# Altium PCB DAC_Sources.PcbDoc (part 1 of 8) (continued)
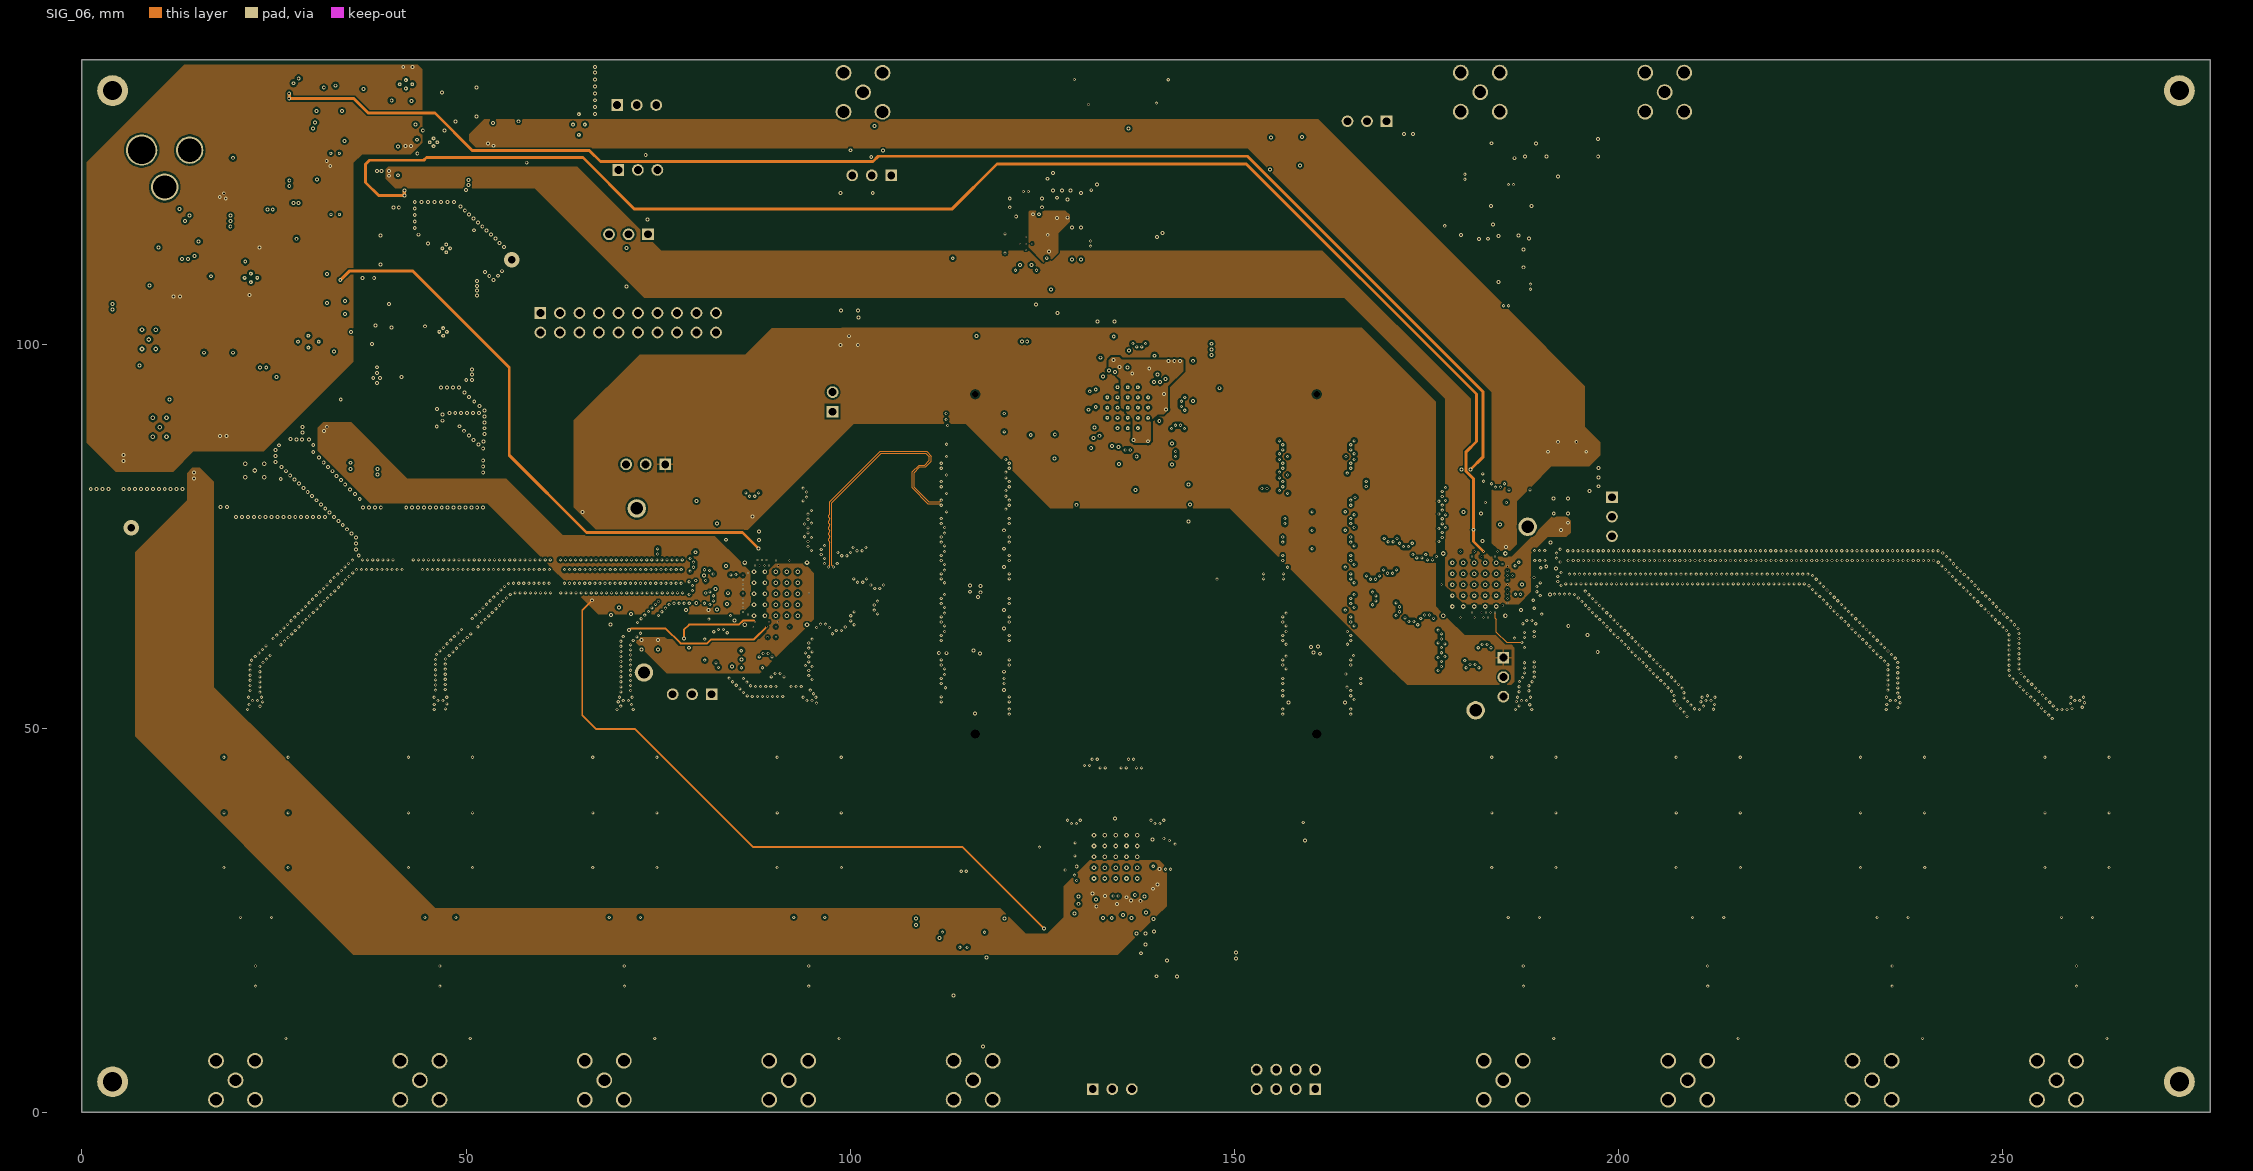
[diagram p6: SIG_06]
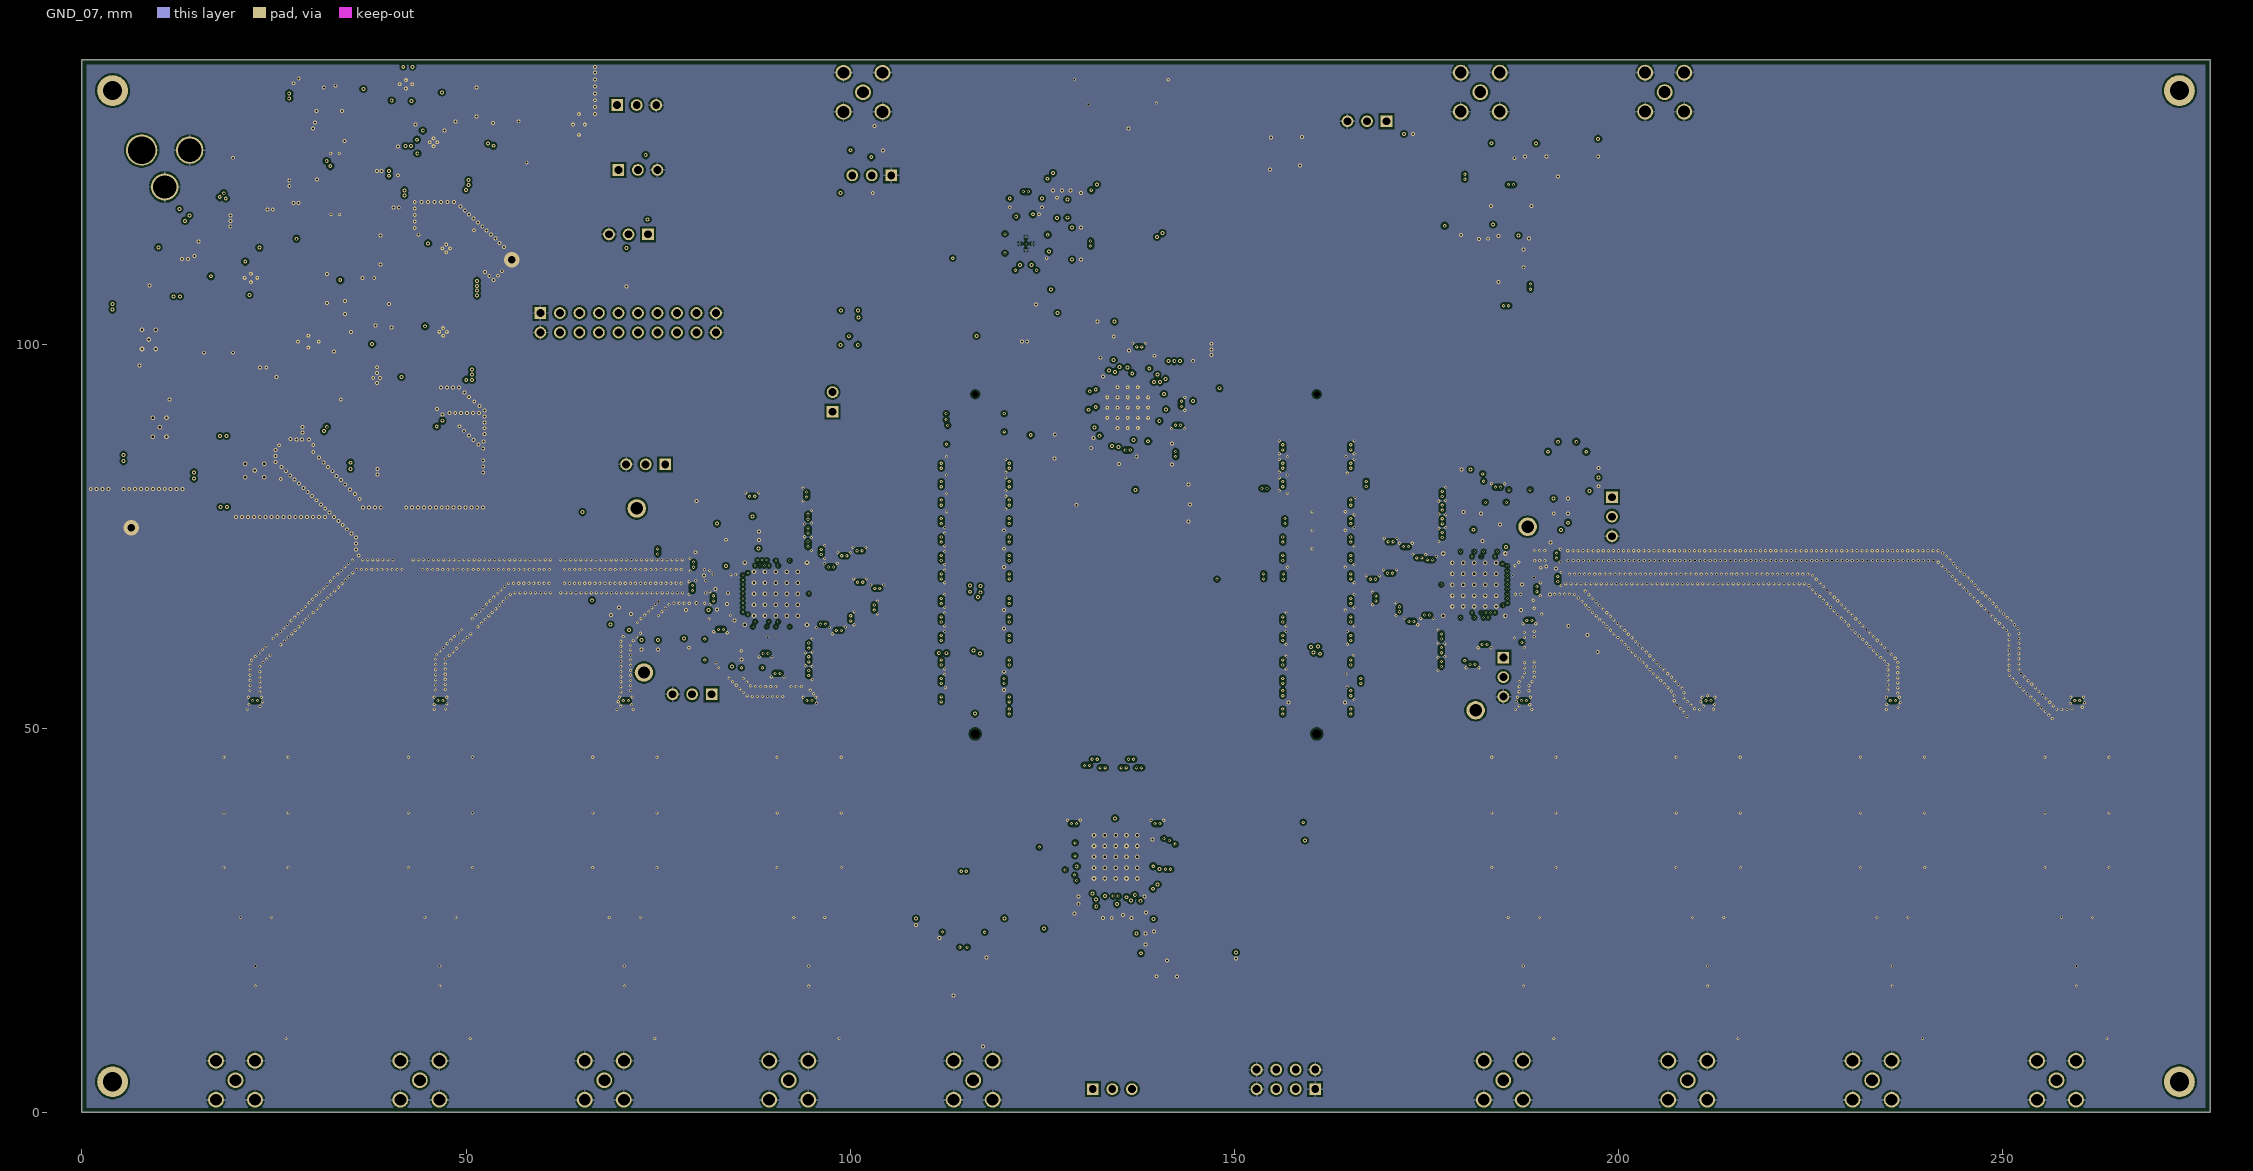
[diagram p7: GND_07]
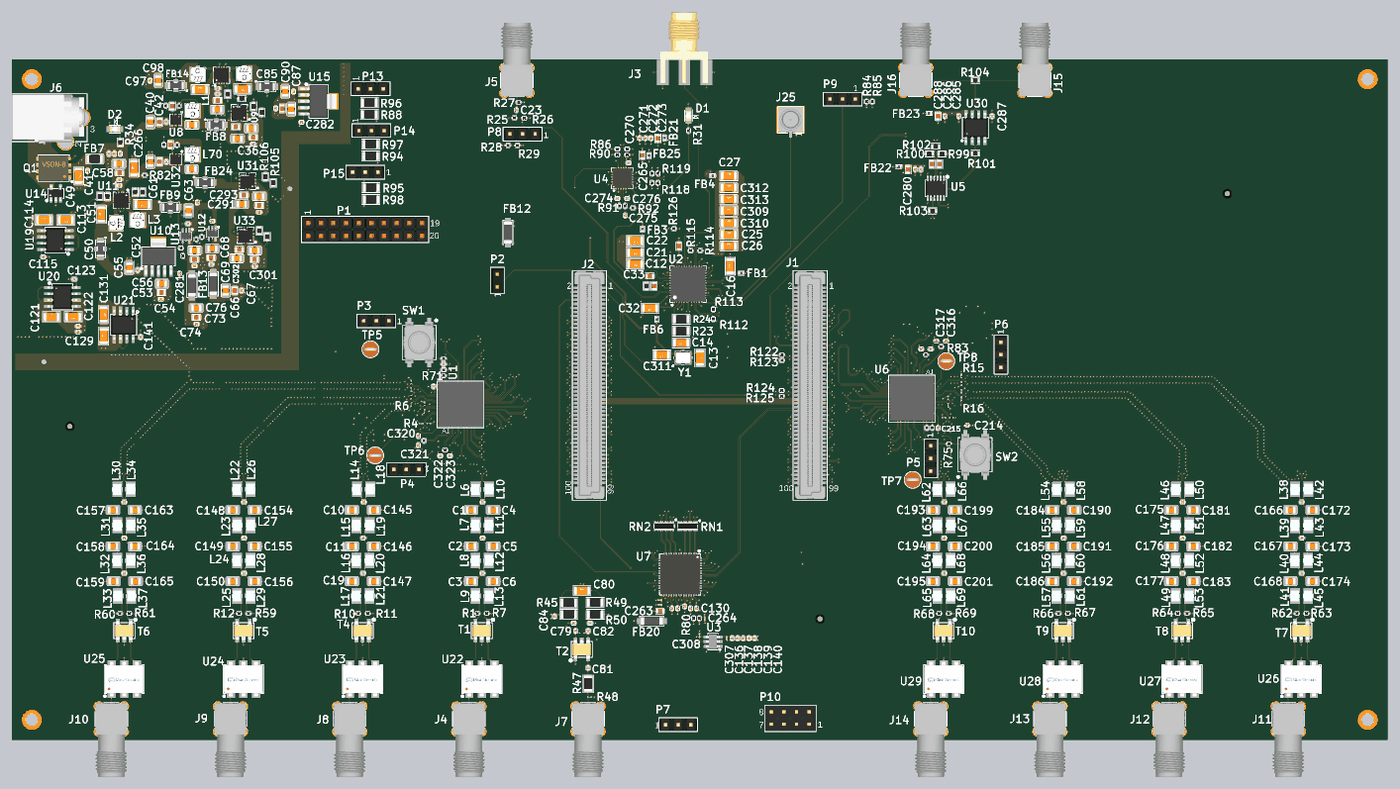
[diagram p15: 3D render of the assembled board from above, using the file's embedded part models]
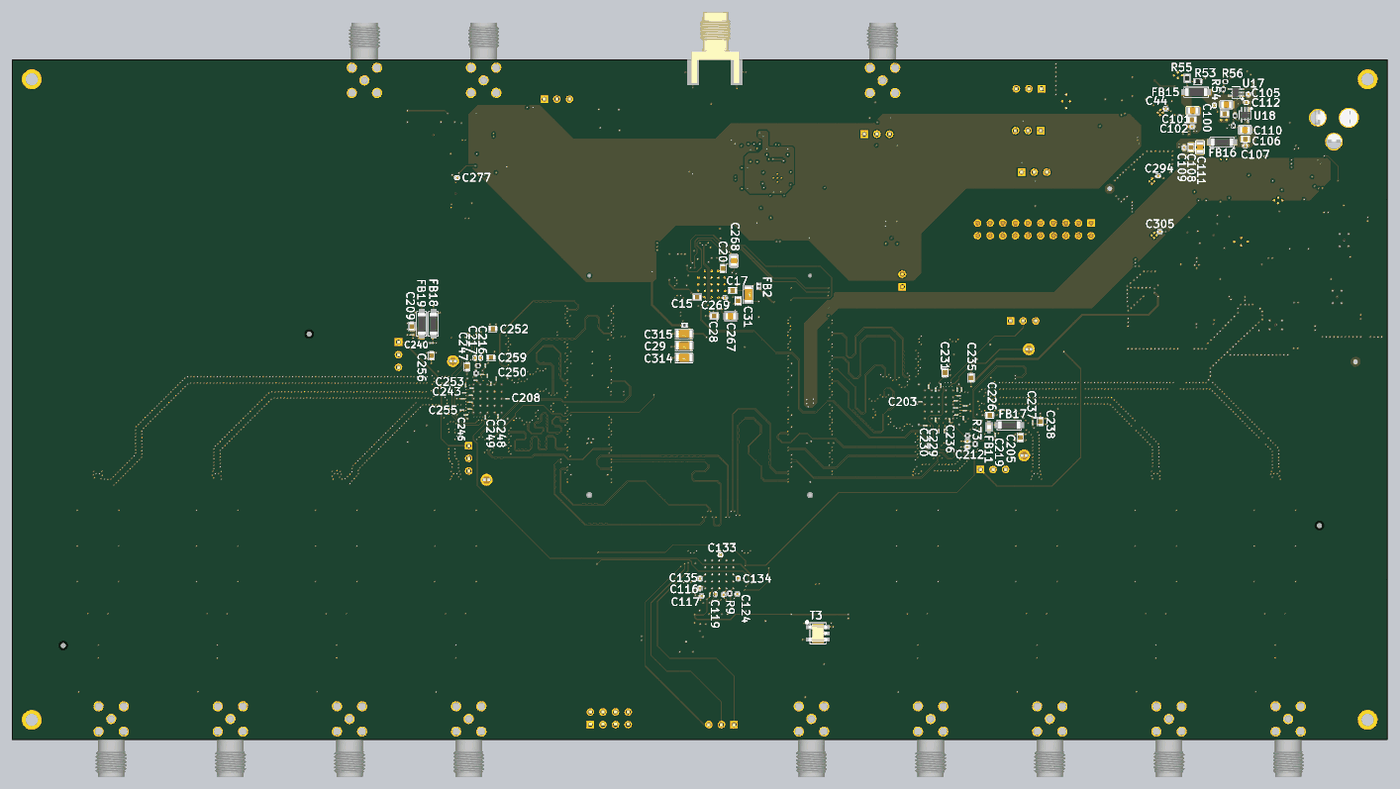
[diagram p16: 3D render of the assembled board from below, using the file's embedded part models]

## Layer stack, top to bottom
Top Solder: solder mask 0.0102, Solder Resist, Dk 3.5
Top Layer: signal copper 0.0356
Dielectric 2: prepreg 0.1016, PP-006, Dk 3.8
GND_02: signal copper 0.035
Dielectric 4: prepreg 0.127, PP-006, Dk 3.8
SIG_03: signal copper 0.0175
Dielectric 6: prepreg 0.254, PP-006, Dk 3.8
PWR_04: signal copper 0.035
Dielectric 1: dielectric 0.4572, FR-4, Dk 3.8
PWR_05: signal copper 0.035
Dielectric 7: prepreg 0.254, PP-006, Dk 3.8
SIG_06: signal copper 0.0175
Dielectric 5: prepreg 0.127, PP-006, Dk 3.8
GND_07: signal copper 0.035
Dielectric 3: prepreg 0.1016, PP-006, Dk 3.8
Bottom Layer: signal copper 0.0356
Bottom Solder: solder mask 0.0102, Solder Resist, Dk 3.5

## Board outline
0,0 0,137 277,137 277,0

## Design rules (kind name [scope] priority, off if disabled: settings)
BoardOutlineClearance [All] p1: gap=0.635 ignorepadtopadclearanceinfootprint=FALSE except(0.254: Text-OutlineEdge Text-CavityEdge Text-CutoutEdge Text-SplitBarrior Text-SplitContinuation)
Clearance Clearance_power [InNetClass('Power')] p1: gap=0.127 ignorepadtopadclearanceinfootprint=FALSE except(0.1: Arc-SMDPad Track-SMDPad; 0.203: Track-Hole SMDPad-Hole; 0.254: Arc-Poly Arc-Hole Track-Poly SMDPad-Poly THPad-Poly THPad-Hole Via-Via Via-Poly Via-Hole Fill-Poly Fill-Hole Poly-Poly Poly-Region Poly-Hole Region-Hole)
Clearance [All] p2: gap=0.127 ignorepadtopadclearanceinfootprint=FALSE except(0.1: Arc-SMDPad Track-SMDPad; 0.102: Track-Track; 0.203: Track-Hole SMDPad-Hole; 0.254: Arc-Poly Arc-Hole Track-Poly SMDPad-Poly THPad-Poly THPad-Hole Via-Via Via-Poly Via-Hole Fill-Poly Fill-Hole Poly-Poly Poly-Region Poly-Hole Region-Hole)
DiffPairsRouting [All] p1: maxlimit=0.254 minlimit=0.102 mostfreqgap=0.127 toplayer_maxgap=0.102 toplayer_prefgap=0.102 toplayer_minwidth=0.127 toplayer_maxwidth=0.127 toplayer_prefwidth=0.127 midlayer2_mingap=0.127 midlayer2_maxgap=0.127 midlayer2_minwidth=0.102 midlayer2_maxwidth=0.102 midlayer2_prefwidth=0.102 midlayer3_mingap=0.127 midlayer3_maxgap=0.127 midlayer3_minwidth=0.102 midlayer3_maxwidth=0.102 midlayer3_prefwidth=0.102 bottomlayer_maxgap=0.102 bottomlayer_prefgap=0.102 bottomlayer_minwidth=0.127 bottomlayer_maxwidth=0.127 bottomlayer_prefwidth=0.127 impedanceprofiledriven=TRUE impedanceprofileid={44043D8C-8031-48D3-A296-2A2AAD1479C5} impedanceprofilevalue=100.000000 maxuncoupledlength=25.4
MatchedLengths Xnets [InxSignalClass('All xSignals')] p1: tolerance=0.254 checknetsindiffpair=FALSE checkdiffpairvsdiffpair=TRUE checkxsignals=TRUE checkothers=TRUE
MatchedLengths Grp0 [InDifferentialPairClass('Group 0')] p2: tolerance=3.81 checknetsindiffpair=FALSE checkdiffpairvsdiffpair=TRUE checkxsignals=TRUE checkothers=TRUE
MatchedLengths Grp1 [InDifferentialPairClass('Group 1')] p3: tolerance=3.81 checknetsindiffpair=FALSE checkdiffpairvsdiffpair=TRUE checkxsignals=TRUE checkothers=TRUE
MinimumSolderMaskSliver [All] p1: minsoldermaskwidth=0.089
PolygonConnect PolygonConnect_drv [HasFootprint('FP-DRV0006A-IPC_A')] p1: connectstyle=Direct reliefconductorwidth=0.254 reliefentries=4 polygonreliefangle="90 Angle" airgapwidth=0.254
PolygonConnect PolygonConnect_dcq [HasFootprint('DCQ0006A')] p2: connectstyle=Direct reliefconductorwidth=0.254 reliefentries=4 polygonreliefangle="90 Angle" airgapwidth=0.254
PolygonConnect PolygonConnect_rgz [HasFootprint('FP-RGZ0048D-IPC_A')] p3: connectstyle=Direct reliefconductorwidth=0.254 reliefentries=4 polygonreliefangle="90 Angle" airgapwidth=0.254
PolygonConnect PolygonConnect_drc [HasFootprint('DRC0010G')] p4: connectstyle=Direct reliefconductorwidth=0.254 reliefentries=4 polygonreliefangle="90 Angle" airgapwidth=0.254
PolygonConnect PolygonConnect_drb [HasFootprint('DRB0008A_V')] p5: connectstyle=Direct reliefconductorwidth=0.254 reliefentries=4 polygonreliefangle="90 Angle" airgapwidth=0.254
PolygonConnect [All] p6: thpad.connectstyle=Relief thpad.reliefconductorwidth=0.254 thpad.reliefentries=4 thpad.polygonreliefangle="90 Angle" thpad.airgapwidth=0.254 smdpad.connectstyle=Direct smdpad.reliefconductorwidth=0.254 smdpad.reliefentries=4 smdpad.polygonreliefangle="90 Angle" smdpad.airgapwidth=0.254 via.connectstyle=Direct via.reliefconductorwidth=0.254 via.reliefentries=4 via.polygonreliefangle="90 Angle" via.airgapwidth=0.254
RoutingVias [All] p1: holewidth=0.254 width=0.508 viastyle="Through Hole" minholewidth=0.203 minwidth=0.406 maxholewidth=0.305 maxwidth=0.61
SilkToSilkClearance [All] p1: silktosilkclearance=0.003
SilkToSolderMaskClearance [IsPad] p1: minsilkscreentomaskgap=0.003 clearancetoexposedcopper=TRUE
SolderMaskExpansion [All] p1: expansion=0.102 istentingtop=FALSE
SupplyNets "Schematic Supply Nets" [InNet('GND')] p1: voltage=0.000
Width Width_power [InNetClass('Power')] p1: maxlimit=0.508 minlimit=0.152 preferedwidth=0.254
Width [All] p2: maxlimit=0.254 minlimit=0.127 preferedwidth=0.152 toplayer_minwidth=0.191 toplayer_maxwidth=0.191 toplayer_prefwidth=0.191 midlayer2_minwidth=0.152 midlayer3_minwidth=0.152 bottomlayer_minwidth=0.191 bottomlayer_maxwidth=0.191 bottomlayer_prefwidth=0.191 minimp=50.000000 maximp=50.000000 favimp=50.000000
26 further rules are at their usual default settings.

## Classes and differential pairs
differential pair class "Group 1": JX2_D0_DAC2 JX2_D1_DAC2 JX2_D2_DAC2 JX2_D3_DAC2 JX2_D4_DAC2 JX2_D5_DAC2 JX2_D6_DAC2 JX2_D7_DAC2 JX2_D8_DAC2 JX2_D9_DAC2 JX2_D10_DAC2 JX2_D11_DAC2 JX2_D12_DAC2 JX2_D13_DAC2 JX2_D14_DAC2 JX2_D15_DAC2 JX2_DATACLK_DAC2 JX2_FRAME_DAC2
differential pair class "Group 0": JX1_D0_DAC1 JX1_D1_DAC1 JX1_D2_DAC1 JX1_D3_DAC1 JX1_D4_DAC1 JX1_D5_DAC1 JX1_D6_DAC1 JX1_D7_DAC1 JX1_D8_DAC1 JX1_D9_DAC1 JX1_D10_DAC1 JX1_D11_DAC1 JX1_D12_DAC1 JX1_D13_DAC1 JX1_D14_DAC1 JX1_D15_DAC1 JX1_DATACLK_DAC1 JX1_FRAME_DAC1
net class Power: 1.2VCLK_DAC1 1.2VCLK_DAC2 1.2VDAC1 1.2VDAC2 1.2VDIGI_DAC1 1.2VDIGI_DAC2 1.8V_AVDD 1.8V_DRVDD 3.3V_AVDD 3.3V_LOGIC 3.3VA_DAC1 3.3VA_DAC2 3.3VCLK 3.3VCLK_PECL 5V_AVDD 6V 6V_IN CML DEF1 DEF2 GND IOVDD_DAC1 IOVDD_DAC2 NetC34_1 NetC34_2 NetC37_2 NetC44_1 NetC50_1 NetC50_3 NetC61_1 NetC64_2 NetC71_2 NetC85_1 NetC85_3 NetC96_1 NetC99_2 NetC106_2 NetC115_1 NetC123_1 NetC141_1 NetC216_1 NetC217_1 NetC267_2 NetC268_2 NetC281_1 NetC282_1 NetC294_1 NetC295_2 NetD2_2 NetR31_1 NetR33_1 NetR39_1 NetR40_1 NetR43_1 NetR53_1 NetR54_1 NetR57_1 NetR79_1 NetR105_1 NetR109_1 PLL_AVDD_DAC1 PLL_AVDD_DAC2 SPI_VDDIO V+U5 VBB VCC1_PLL VCC_AUX_IN VCC_AUX_OUT VCC_DS VCC_IN_PRI VCC_OUT VCC_VCO VCCO_13 VDD VIN_HDR VREF
component class Designator: 21 C34 C35 C36 C37 C38 C39 C40 C41 C42 C43 C44 C45 C46 C47 C48 C49 C50 C51 C52 C53 C54 C55 C56 C57 C58 C59 C60 C61 C62 C63 C64 C65 C66 C67 C68 C69 C70 C71 C72 C73 C74 C75 C76 C77 C85 C86 C87 C88 C89 C90 C91 C92 C93 C94 C95 C96 C97 C98 C99 C100 C101 C102 C103 C104 C105 C106 C107 C108 C109 C110 C111 C112 C113 C114 C115 C116 C117 C118 C119 C120 C121 C122 C123 C124 C125 C126 C127 C128 C129 C130 C131 C132 C133 C134 C135 C136 C137 C138 C139 C140 C141 C266 C281 C282 C289 C290 C291 C292 C293 C294 C295 C296 C297 C298 C299 C301 C302 C303 C304 C305 D2 FB7 FB8 FB9 FB10 FB12 FB13 FB14 FB15 FB16 FB24 J6 L1 L2 L3 L4 L5 L70 Q1 R32 R33 R34 R35 R36 R37 R38 R39 R40 R41 R42 R43 R44 R51 R52 R53 R54 R55 R56 R57 R58 R82 R105 R106 R107 R108 R109 R110 U8 U9 U10 U11 U12 U13 U14 U15 U16 U17 U18 U19 U20 U21 U31 U32 U33
component class DACֹֹ_Sources: C1 C2 C3 C4 C5 C6 C7 C8 C9 C10 C11 C19 C78 C79 C80 C81 C82 C83 C84 C142 C143 C144 C145 C146 C147 C148 C149 C150 C151 C152 C153 C154 C155 C156 C157 C158 C159 C160 C161 C162 C163 C164 C165 C166 C167 C168 C169 C170 C171 C172 C173 C174 C175 C176 C177 C178 C179 C180 C181 C182 C183 C184 C185 C186 C187 C188 C189 C190 C191 C192 C193 C194 C195 C196 C197 C198 C199 C200 C201 C202 C203 C204 C205 C206 C207 C208 C209 C210 C211 C212 C213 C214 C215 C216 C217 C218 C219 C220 C221 C222 C223 C224 C225 C226 C227 C228 C229 C230 C231 C232 C233 C234 C235 C236 C237 C238 C239 C240 C241 C242 C243 C244 C245 C246 C247 C248 C249 C250 C251 C252 C253 C254 C255 C256 C257 C258 C259 C260 C261 C262 C263 C264 C277 C278 C279 C280 C283 C284 C285 C286 C287 C288 C307 C308 C316 C317 C318 C319 C320 C321 C322 C323 FB11 FB17 FB18 FB19 FB20 FB22 FB23 J1 J2 J4 J7 J8 J9 J10 J11 J12 J13 J14 J15 J16 L6 L7 L8 L9 L10 L11 L12 L13 L14 L15 L16 L17 L18 L19 L20 L21 L22 L23 L24 L25 L26 L27 L28 L29 L30 L31 L32 L33 L34 L35 L36 L37 L38 L39 L40 L41 L42 L43 L44 L45 L46 L47 L48 L49 L50 L51 L52 L53 L54 L55 L56 L57 L58 L59 L60 L61 L62 L63 L64 L65 L66 L67 L68 L69 P1 P3 P4 P5 P6 P7 P10 R1 R2 R3 R4 R5 R6 R7 R8 R9 R10 R11 R12 R13 R14 R15 R16 R17 R18 R19 R20 R21 R22 R45 R46 R47 R48 R49 R50 R59 R60 R61 R62 R63 R64 R65 R66 R67 R68 R69 R70 R71 R72 R73 R74 R75 R76 R77 R78 R79 R80 R81 R83 R99 R100 R101 R102 R103 R104 R111 R120 R121 R122 R123 R124 R125 RN1 RN2 SW1 SW2 T1 T2 T3 T4 T5 T6 T7 T8 T9 T10 TP5 TP6 TP7 TP8 U1 U3 U5 U6 U7 U22 U23 U24 U25 U26 U27 U28 U29 U30
differential pair PRI: +PRI_P -PRI_N
differential pair OSTR_DAC2_BUF: +OSTR_DAC2_BUF_P -OSTR_DAC2_BUF_N
differential pair OSTR_DAC1_BUF: +OSTR_DAC1_BUF_P -OSTR_DAC1_BUF_N
differential pair JX2_LVDS14: +JX2_LVDS14_P -JX2_LVDS14_N
differential pair JX2_LVDS12: +JX2_LVDS12_P -JX2_LVDS12_N
differential pair JX2_LVDS11: +JX2_LVDS11_P -JX2_LVDS11_N
differential pair JX2_LVDS10: +JX2_LVDS10_P -JX2_LVDS10_N
differential pair JX2_LVDS8: +JX2_LVDS8_P -JX2_LVDS8_N
differential pair JX2_LVDS6: +JX2_LVDS6_P -JX2_LVDS6_N
differential pair VXP0: +VXP0_P -VXP0_N
differential pair DXP0: +DXP0_P -DXP0_N
differential pair SYNC_DAC_C: +SYNC_DAC_C_P -SYNC_DAC_C_N
differential pair JX2_D0_DAC2: +JX2_D0_DAC2_P -JX2_D0_DAC2_N
differential pair VIN_A: +VIN_A_P -VIN_A_N
differential pair OSTR_DAC2_BUF_IN: +OSTR_DAC2_BUF_IN_P -OSTR_DAC2_BUF_IN_N
differential pair OSTR_DAC1_BUF_IN: +OSTR_DAC1_BUF_IN_P -OSTR_DAC1_BUF_IN_N
differential pair JX2_DACCLK_DAC2_IN: +JX2_DACCLK_DAC2_IN_P -JX2_DACCLK_DAC2_IN_N
differential pair JX1_LVDS15: +JX1_LVDS15_P -JX1_LVDS15_N
differential pair JX1_LVDS9: +JX1_LVDS9_P -JX1_LVDS9_N
differential pair JX1_DACCLK_DAC1_IN: +JX1_DACCLK_DAC1_IN_P -JX1_DACCLK_DAC1_IN_N
differential pair FPGA_CLK: +FPGA_CLK_P -FPGA_CLK_N
differential pair OUT_SYNC: +OUT_SYNC_P -OUT_SYNC_N
differential pair IOUT2D: +IOUT2D_P -IOUT2D_N
differential pair IOUT2C: +IOUT2C_P -IOUT2C_N
differential pair IOUT2B: +IOUT2B_P -IOUT2B_N
differential pair IOUT2A: +IOUT2A_P -IOUT2A_N
differential pair SYNC_DAC: +SYNC_DAC_P -SYNC_DAC_N
differential pair SYNC_DAC2_BUF: +SYNC_DAC2_BUF_P -SYNC_DAC2_BUF_N
differential pair SYNC_DAC1_BUF: +SYNC_DAC1_BUF_P -SYNC_DAC1_BUF_N
differential pair PDOR: +PDOR_P -PDOR_N
differential pair PD5: +PD5_P -PD5_N
differential pair PD5B: +PD5B_P -PD5B_N
differential pair PD4: +PD4_P -PD4_N
differential pair PD4B: +PD4B_P -PD4B_N
differential pair PD3: +PD3_P -PD3_N
differential pair PD3B: +PD3B_P -PD3B_N
differential pair PD2: +PD2_P -PD2_N
differential pair PD2B: +PD2B_P -PD2B_N
differential pair PD1: +PD1_P -PD1_N
differential pair PD1B: +PD1B_P -PD1B_N
differential pair PD0: +PD0_P -PD0_N
differential pair PD0B: +PD0B_P -PD0B_N
differential pair PCLK: +PCLK_P -PCLK_N
differential pair OSTR_DAC: +OSTR_DAC_P -OSTR_DAC_N
differential pair JX2_PARITY: +JX2_PARITY_P -JX2_PARITY_N
differential pair JX2_FRAME_DAC2: +JX2_FRAME_DAC2_P -JX2_FRAME_DAC2_N
differential pair JX2_DATACLK_DAC2: +JX2_DATACLK_DAC2_P -JX2_DATACLK_DAC2_N
differential pair JX2_DACCLK_DAC2: +JX2_DACCLK_DAC2_P -JX2_DACCLK_DAC2_N
differential pair JX2_D15_DAC2: +JX2_D15_DAC2_P -JX2_D15_DAC2_N
differential pair JX2_D14_DAC2: +JX2_D14_DAC2_P -JX2_D14_DAC2_N
differential pair JX2_D13_DAC2: +JX2_D13_DAC2_P -JX2_D13_DAC2_N
differential pair JX2_D12_DAC2: +JX2_D12_DAC2_P -JX2_D12_DAC2_N
differential pair JX2_D11_DAC2: +JX2_D11_DAC2_P -JX2_D11_DAC2_N
differential pair JX2_D10_DAC2: +JX2_D10_DAC2_P -JX2_D10_DAC2_N
differential pair JX2_D9_DAC2: +JX2_D9_DAC2_P -JX2_D9_DAC2_N
differential pair JX2_D8_DAC2: +JX2_D8_DAC2_P -JX2_D8_DAC2_N
differential pair JX2_D7_DAC2: +JX2_D7_DAC2_P -JX2_D7_DAC2_N
differential pair JX2_D6_DAC2: +JX2_D6_DAC2_P -JX2_D6_DAC2_N
differential pair JX2_D5_DAC2: +JX2_D5_DAC2_P -JX2_D5_DAC2_N
differential pair JX2_D4_DAC2: +JX2_D4_DAC2_P -JX2_D4_DAC2_N
differential pair JX2_D3_DAC2: +JX2_D3_DAC2_P -JX2_D3_DAC2_N
differential pair JX2_D2_DAC2: +JX2_D2_DAC2_P -JX2_D2_DAC2_N
differential pair JX2_D1_DAC2: +JX2_D1_DAC2_P -JX2_D1_DAC2_N
differential pair JX1_PARITY: +JX1_PARITY_P -JX1_PARITY_N
differential pair JX1_FRAME_DAC1: +JX1_FRAME_DAC1_P -JX1_FRAME_DAC1_N
differential pair JX1_DATACLK_DAC1: +JX1_DATACLK_DAC1_P -JX1_DATACLK_DAC1_N
differential pair JX1_DACCLK_DAC1: +JX1_DACCLK_DAC1_P -JX1_DACCLK_DAC1_N
differential pair JX1_D15_DAC1: +JX1_D15_DAC1_P -JX1_D15_DAC1_N
differential pair JX1_D14_DAC1: +JX1_D14_DAC1_P -JX1_D14_DAC1_N
differential pair JX1_D13_DAC1: +JX1_D13_DAC1_P -JX1_D13_DAC1_N
differential pair JX1_D12_DAC1: +JX1_D12_DAC1_P -JX1_D12_DAC1_N
differential pair JX1_D11_DAC1: +JX1_D11_DAC1_P -JX1_D11_DAC1_N
differential pair JX1_D10_DAC1: +JX1_D10_DAC1_P -JX1_D10_DAC1_N
differential pair JX1_D9_DAC1: +JX1_D9_DAC1_P -JX1_D9_DAC1_N
differential pair JX1_D8_DAC1: +JX1_D8_DAC1_P -JX1_D8_DAC1_N
differential pair JX1_D7_DAC1: +JX1_D7_DAC1_P -JX1_D7_DAC1_N
differential pair JX1_D6_DAC1: +JX1_D6_DAC1_P -JX1_D6_DAC1_N
differential pair JX1_D5_DAC1: +JX1_D5_DAC1_P -JX1_D5_DAC1_N
differential pair JX1_D4_DAC1: +JX1_D4_DAC1_P -JX1_D4_DAC1_N
differential pair JX1_D3_DAC1: +JX1_D3_DAC1_P -JX1_D3_DAC1_N
differential pair JX1_D2_DAC1: +JX1_D2_DAC1_P -JX1_D2_DAC1_N
differential pair JX1_D1_DAC1: +JX1_D1_DAC1_P -JX1_D1_DAC1_N
differential pair JX1_D0_DAC1: +JX1_D0_DAC1_P -JX1_D0_DAC1_N
differential pair IOUT1D: +IOUT1D_P -IOUT1D_N
differential pair IOUT1C: +IOUT1C_P -IOUT1C_N
differential pair IOUT1B: +IOUT1B_P -IOUT1B_N
differential pair IOUT1A: +IOUT1A_P -IOUT1A_N
differential pair FILL: +FILL_P -FILL_N
differential pair ADCCLK: +ADCCLK_P -ADCCLK_N
